# Altium PCB Monitor Blanking V3.PcbDoc
Units mm, origin at the board's own origin, x right, y up, seen from the top; angles counter-clockwise.
Board outline 92 x 40 mm, 2 copper layers (Top Layer, Bottom Layer), stack 1.57 mm thick; 61 components, 44 nets, 188 pads, 62 vias.
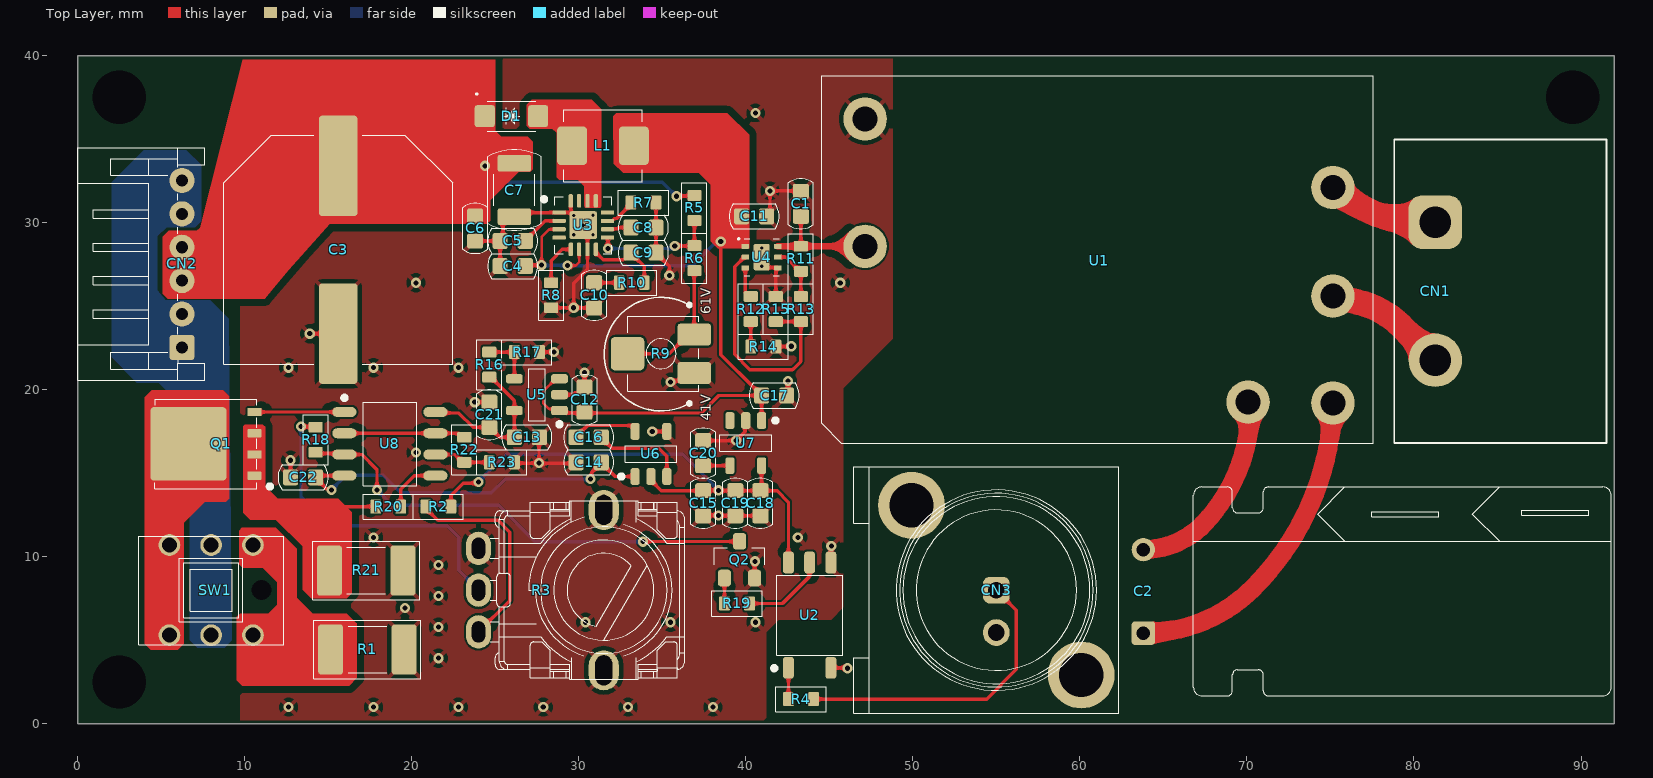
[diagram p0: Top Layer view]
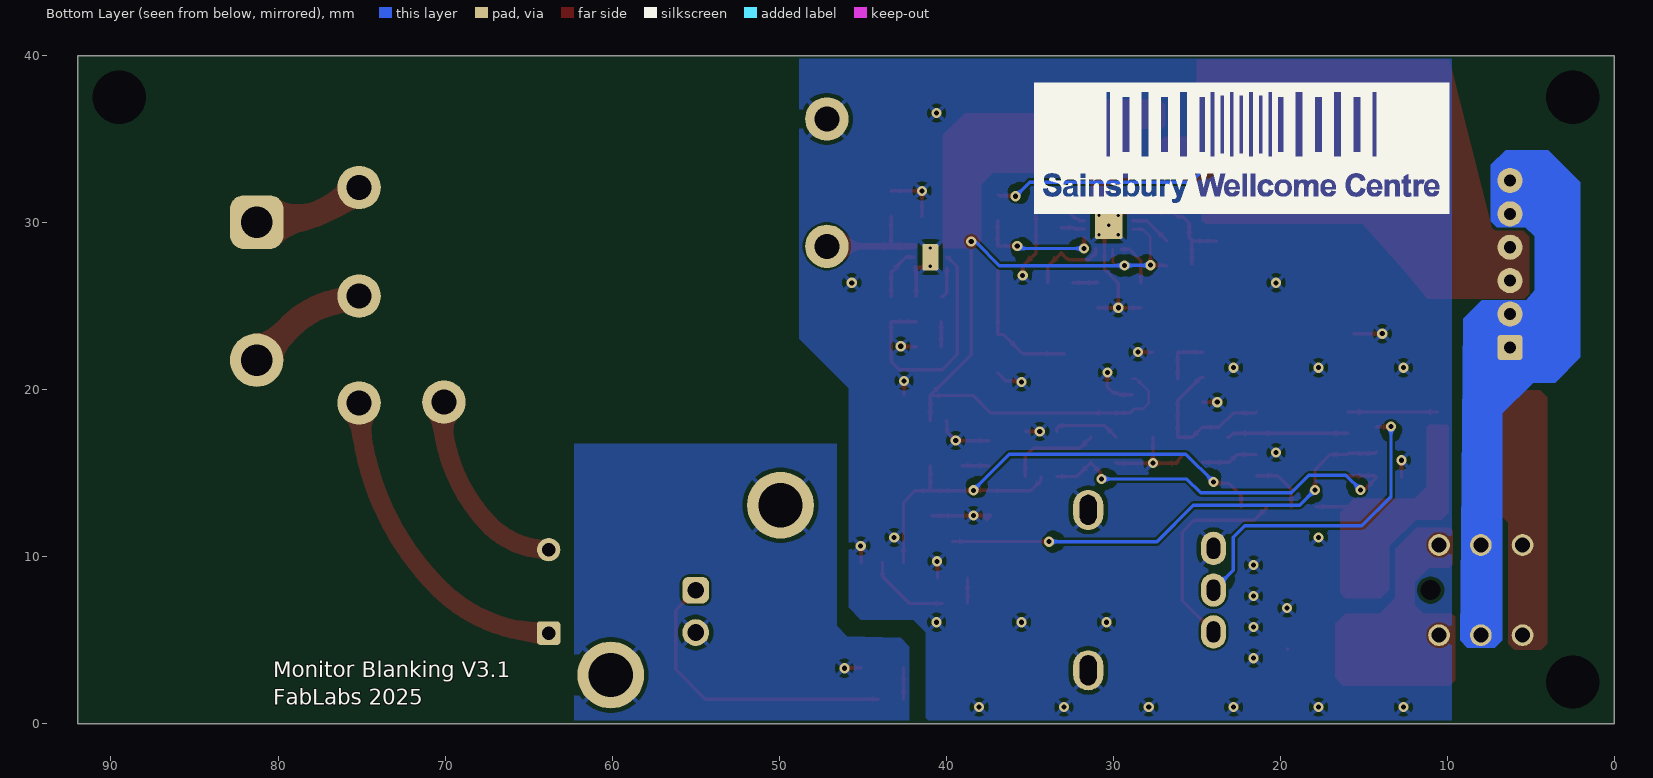
[diagram p1: Bottom Layer view, seen from below]
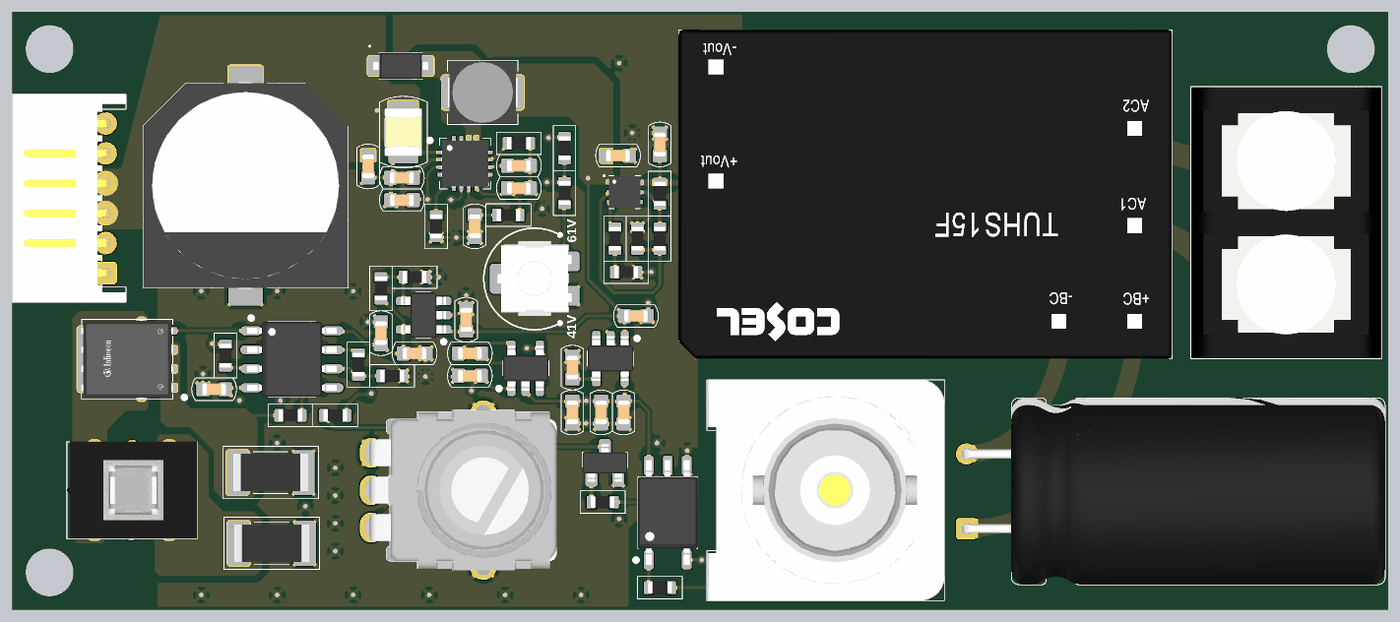
[diagram p2: 3D render of the assembled board from above, using the file's embedded part models]

## Layer stack, top to bottom
Top Solder: solder mask 0.0127, Solder Resist, Dk 3.8
Top Layer: signal copper 0.035
Dielectric: core 1.5, FR-4, Dk 4.5
Bottom Layer: signal copper 0.035
Bottom Solder: solder mask 0.0127, Solder Resist, Dk 3.8

## Board outline
0,0 92,0 92,40 0,40

## Design rules (kind name [scope] priority, off if disabled: settings)
BoardOutlineClearance BoardOutlineClearance_1 [(OnLayer('Top Overlay') OR OnLayer('Bottom Overlay'))] p1: gap=0 ignorepadtopadclearanceinfootprint=FALSE
BoardOutlineClearance [All] p2: gap=0.2 ignorepadtopadclearanceinfootprint=FALSE
Clearance Clearance_Power [InPolygon vs IsRegion] p1: gap=0.45 ignorepadtopadclearanceinfootprint=FALSE
Clearance Clearance_Polygon [InNet('GND') vs InPolygon] p2: gap=0.5 ignorepadtopadclearanceinfootprint=FALSE
Clearance Clearance_1 [All] p3: gap=0.127 ignorepadtopadclearanceinfootprint=FALSE except(0.203: Arc-Hole Track-Hole Via-Hole Fill-Hole Poly-Hole Region-Hole Text-Hole)
ComponentClearance [All] p1: gap=0.089 collisioncheckmode=3 verticalgap=0.089 showdistances=TRUE
DiffPairsRouting JLCPCB_6L_90Ohm [InDifferentialPairClass('USB')] p1: maxlimit=0.127 minlimit=0.127 mostfreqgap=0.127 toplayer_minwidth=0.233 toplayer_maxwidth=0.233 toplayer_prefwidth=0.233 bottomlayer_minwidth=0.233 bottomlayer_maxwidth=0.233 bottomlayer_prefwidth=0.233 impedanceprofiledriven=TRUE maxuncoupledlength=12.7
DiffPairsRouting JLCPCB_6L_120Ohm [InDifferentialPairClass('RS485')] p2: maxlimit=0.305 minlimit=0.305 mostfreqgap=0.305 toplayer_minwidth=0.183 toplayer_maxwidth=0.183 toplayer_prefwidth=0.183 bottomlayer_minwidth=0.183 bottomlayer_maxwidth=0.183 bottomlayer_prefwidth=0.183 impedanceprofiledriven=TRUE maxuncoupledlength=12.7
Height [All] p1: minheight=0 maxheight=1816.048 prefheight=12.7
HoleSize [All] p1: absolutevalues=TRUE maxlimit=6.3 minlimit=0.2 maxpercent=80.000 minpercent=20.000
HoleToHoleClearance [All] p1: gap=0.25 allowstackedmicrovias=FALSE
MinimumAnnularRing [All] p1: minimumring=0.076
MinimumSolderMaskSliver [All] p1: minsoldermaskwidth=0
PlaneClearance [All] p1: clearance=0.089
PlaneConnect PlaneConnectPowerPads [InPadClass('PowerPads')] p1: planeconnectstyle=Direct reliefexpansion=0.508 reliefentries=4 reliefconductorwidth=0.254 reliefairgap=0.254
PlaneConnect [All] p2: pad.planeconnectstyle=Relief pad.reliefexpansion=0.3 pad.reliefentries=4 pad.reliefconductorwidth=0.089 pad.reliefairgap=0.089 via.planeconnectstyle=Relief via.reliefexpansion=0.3 via.reliefentries=4 via.reliefconductorwidth=0.127 via.reliefairgap=0.127
PolygonConnect PolygonConnectPowerPads [(InNet('GND') OR InNet('3V3') OR InNet('SGND'))] p1: connectstyle=Relief reliefconductorwidth=0.254 reliefentries=4 polygonreliefangle="45 Angle" airgapwidth=0.254
PolygonConnect [All] p2: connectstyle=Direct reliefconductorwidth=0.089 reliefentries=4 polygonreliefangle="90 Angle" airgapwidth=0.089
RoutingVias [All] p1: holewidth=0.2 width=0.45 viastyle="Through Hole" minholewidth=0.2 minwidth=0.45 maxholewidth=6.3 maxwidth=6.55
SilkToSilkClearance [All] p1: silktosilkclearance=0
SilkToSolderMaskClearance [IsPad] p1 off: minsilkscreentomaskgap=0.089 clearancetoexposedcopper=TRUE
SolderMaskExpansion [All] p1: expansion=0.075 istentingtop=FALSE
SupplyNets "Schematic Supply Nets" [InNet('SGND')] p1: voltage=0.000
SupplyNets "Schematic Supply Nets_11" [InNet('VAMP-')] p2: voltage=0.000
SupplyNets "Schematic Supply Nets_9" [InNet('VLED')] p3: voltage=0.000
SupplyNets "Schematic Supply Nets_8" [InNet('VAMP+')] p4: voltage=0.000
SupplyNets "Schematic Supply Nets_4" [InNet('GND')] p5: voltage=0.000
SupplyNets "Schematic Supply Nets_6" [InNet('3V3')] p6: voltage=0.000
Width [All] p1: maxlimit=1816.048 minlimit=0.089 preferedwidth=0.089
20 further rules are at their usual default settings.

## Classes and differential pairs
component class "System Power": C4 C5 C6 C7 C8 C9 C10 C11 C12 C13 C14 C15 C16 C17 C18 C19 C20 D1 L1 R5 R6 R7 R10 R11 R12 R13 R14 R15 R16 R17 U3 U4 U5 U6 U7
component class "LED Driver": C21 C22 Q1 Q2 R18 R19 R20 R21 R22 R23 U8

## Components (designator, comment, footprint, x,y, rotation, side; value= is the part's Value field where it differs from the comment)
C1 "C0603-100nF-50V" CAP_CHIP_0603 43.3,31.125 r270 top value=100nF
C2 "EC125-33uF-450V" ECAP_DIP_12.5_90 63.8,7.925 r180 top value=33µF
C3 "EC125-220uF-63V" ECAP_SMD_D12.5_13.5L 15.6,28.375 r270 top value=220uF
C4 "C0603-1uF-50V" CAP_CHIP_0603 26.05,27.4 r180 top value=1µF
C5 "C0603-1uF-50V" CAP_CHIP_0603 26.05,28.9 r180 top value=1µF
C6 "C0603-100nF-100V" CAP_CHIP_0603 23.8,29.65 r90 top value=100nF
C7 "C1210-10uF-63V" CAP_CHIP_1210 26.15,31.95 r90 top value=10uF
C8 "C0603-100nF-50V" CAP_CHIP_0603 33.875,29.7 r0 top value=100nF
C9 "C0603-470pF-25V" CAP_CHIP_0603 33.875,28.2 r0 top value=470pF
C10 "C0603-33nF-50V" CAP_CHIP_0603 30.925,25.65 r270 top value=33nF
C11 "C0603-10uF-25V" CAP_CHIP_0603 40.5,30.375 r0 top value=10µF
C12 "C0603-1uF-50V" CAP_CHIP_0603 30.35,19.4 r270 top value=1µF
C13 "C0603-10uF-25V" CAP_CHIP_0603 26.9,17.15 r0 top value=10µF
C14 "C0603-10uF-25V" CAP_CHIP_0603 30.6,15.65 r180 top value=10µF
C15 "C0603-1uF-50V" CAP_CHIP_0603 37.45,13.2 r270 top value=1µF
C16 "C0603-1uF-50V" CAP_CHIP_0603 30.6,17.15 r0 top value=1µF
C17 "C0603-1uF-50V" CAP_CHIP_0603 41.7,19.65 r180 top value=1µF
C18 "C0603-1uF-50V" CAP_CHIP_0603 40.875,13.2 r90 top value=1µF
C19 "C0603-100nF-50V" CAP_CHIP_0603 39.375,13.2 r90 top value=100nF
C20 "C0603-10nF-50V" CAP_CHIP_0603 37.45,16.2 r270 top value=10nF
C21 "C0603-100nF-50V" CAP_CHIP_0603 24.65,18.5 r270 top value=100nF
C22 "C0603-100nF-50V" CAP_CHIP_0603 13.5,14.75 r180 top value=100nF
CN1 "AC IN" BT-8.26-1X2P 81.275,25.895 r270 top
CN2 "BACKLIGHT PANEL" PH_DIP_90_1X6P 3.8,27.525 r90 top
CN3 "LIGHT TRIGGER" BNC-TE-5227222 55,8 r90 top
D1 "PMEG10010ELR" SOD123 25.975,36.375 r0 top
L1 "L-PWR-10uH-1.5A" IND_PWR_0404 31.45,34.6 r180 top value=10uH
Q1 "BSC070N10NS5" TDSON-8 7.686,16.755 r90 top
Q2 "AO3400A" SOT23 39.625,9.825 r270 top
R1 "R2010-47R" RES_CHIP_2010 17.35,4.45 r180 top value=47R
R2 "R0603-10K" RES_CHIP_0603 21.6,13 r0 top value=10k
R3 "BRIGHTNESS" RK09L1140 31.5,8 r270 top value=10k
R4 "R0603-470R" RES_CHIP_0603 43.305,1.475 r180 top value=470
R5 "R0603-120K" RES_CHIP_0603 36.925,30.875 r90 top value=120k
R6 "R0603-2K" RES_CHIP_0603 36.925,27.875 r90 top value=2k
R7 "R0603-100K" RES_CHIP_0603 33.875,31.2 r0 top value=100k
R8 "R0603-10K" RES_CHIP_0603 28.35,25.65 r270 top value=10k
R9 "VR-SMD-1K-B" VR_SMD_4.5mm 34.925,22.15 r0 top value=1k
R10 "R0603-1K" RES_CHIP_0603 33.175,26.4 r180 top value=1k
R11 "R0603-470K" RES_CHIP_0603 43.3,27.832 r90 top value=470k
R12 "R0603-39K" RES_CHIP_0603 40.3,24.825 r90 top value=39k
R13 "R0603-10K" RES_CHIP_0603 43.3,24.825 r90 top value=10k
R14 "R0603-2K2" RES_CHIP_0603 41.05,22.575 r180 top value=2.2k
R15 "R0603-47K" RES_CHIP_0603 41.8,24.825 r270 top value=47k
R16 "R0603-390K" RES_CHIP_0603 24.65,21.5 r270 top value=390k
R17 "R0603-47K" RES_CHIP_0603 26.9,22.25 r180 top value=47k
R18 "R0603-1K" RES_CHIP_0603 14.25,17 r90 top value=1k
R19 "R0603-1K" RES_CHIP_0603 39.475,7.2 r0 top value=1k
R20 "R0603-1K" RES_CHIP_0603 18.6,13 r180 top value=1k
R21 "R2010-0R2" RES_CHIP_2010 17.275,9.175 r180 top value=200mR
R22 "R0603-240K" RES_CHIP_0603 23.15,16.4 r90 top value=240k
R23 "R0603-10K" RES_CHIP_0603 25.4,15.65 r180 top value=10k
SW1 "FORCE ON" SW_LOCK_SPPH410100 8,8 r0 top
U1 "TUHS15F12" TUHS15F12 61.05,27.8 r180 top
U2 "TLP2361" SO5 43.825,6.5 r0 top
U3 "LM5158" QFN16_3X3_0.5E_EP 30.275,29.85 r270 top
U4 "TPS25961" WSON6 40.95,27.932 r270 top
U5 "SPX3819-ADJ" SOT23-5 27.5,19.7 r90 top
U6 "TPS60403" SOT23-5 34.325,16.15 r0 top
U7 "TPS70933" SOT23-5 40,16.8 r180 top
U8 "OPA2197" SOIC8 18.7,16.755 r270 top

## Footprints (in the part's own frame and the unit in brackets; to place one, negate y for a bottom-side part, rotate by r counter-clockwise, add the part's x,y. Pads: shape width x height; smd on the part's side, far side on the other; paste and mask are expansions set on the pad)
BNC-TE-5227222 [mm] "BNC RF Interface, Jack, 50 O, Bayonet, 4 GHz Operating Frequency,"
  rrect50% 1.6x1.6 hole 1: 1(0,0)
  round 4 hole 2.64: 2(-5.08,-5.08) 2(5.08,5.08)
  round 1.6 hole 1: 2(-2.54,0)
  silkscreen extent -7.38,-7.32 7.38,8.55, body extent -7.38,-7.32 7.38,8.55, height 35.7
BT-8.26-1X2P [mm]
  rrect50% 3.2x3.2 hole 1.9 paste-2539.97 mask+0.051: 1(-4.13,0)
  round 3.2 hole 1.9 paste-2539.97 mask+0.051: 2(4.13,0)
  silkscreen extent -9.08,-2.45 9.09,10.25, body extent -9.08,-2.45 9.09,10.25, height 14.58
CAP_CHIP_0603 [mm]
  rrect25% 0.9x0.95 smd: 1(-0.75,0) 2(0.75,0)
  silkscreen extent -1.5,-0.75 1.5,0.75, body extent -0.8,-0.4 0.8,0.4, height 0.8
CAP_CHIP_1210 [mm]
  rrect25% 1x2 smd: 1(-1.6,0) 2(1.6,0)
  silkscreen extent -2.4,-1.6 2.4,1.6, body extent -1.6,-1.25 1.6,1.25, height 2.01
ECAP_DIP_12.5_90 [mm]
  rrect25% 1.4x1.4 hole 0.8: 1(0,2.5)
  round 1.4 hole 0.8: 2(0,-2.5)
  silkscreen extent -28,-6.25 -3,6.25, body extent -27.99,-6.25 0.3,6.24, height 12.5
ECAP_SMD_D12.5_13.5L [mm] "Aluminum Electrolytic Capacitor, Body 13.50x13.50x14.50mm, IPC Low Density"
  rrect15% 6x2.3 smd: 1(-5.025,0) 2(5.025,0)
  silkscreen extent -6.85,-6.85 6.85,6.85, body extent -6.9,-6.85 6.9,6.85, height 14.5
IND_PWR_0404 [mm] "Precision Wire Wound Inductor, 2-Leads, Body 4.45x4.06mm, IPC Medium Density"
  rrect25% 1.8x2.3 smd: 1(-1.85,0) 2(1.85,0)
  silkscreen extent -2.35,-2.15 2.35,2.15, body extent -2.32,-2.03 2.33,2.03, height 1.3
PH_DIP_90_1X6P [mm]
  rrect25% 1.5x1.5 hole 0.72: 1(-5,-2.45)
  round 1.5 hole 0.72: 2(-3,-2.45) 3(-1,-2.45) 4(1,-2.45) 5(3,-2.45) 6(5,-2.45)
  silkscreen extent -6.95,-3.8 6.95,3.8, body extent -6.95,-3.8 6.95,3.8, height 5.05
QFN16_3X3_0.5E_EP [mm] "QFN, 16-Leads, Body 3.00x3.00mm, Pitch 0.50mm, Thermal Pad 1.66x1.66mm, IPC Medium Density"
  rrect15% 1.66x1.66 smd: 0(0,0)
  rrect15% 1.66x1.66 smd far side paste-2539.97 mask+0.102: 0(0,0)
  rrect50% 0.25x0.8 smd: 1(-0.75,-1.45) 2(-0.25,-1.45) 3(0.25,-1.45) 4(0.75,-1.45) 9(0.75,1.45) 10(0.25,1.45) 11(-0.25,1.45) 12(-0.75,1.45)
  rrect50% 0.8x0.25 smd: 5(1.45,-0.75) 6(1.45,-0.25) 7(1.45,0.25) 8(1.45,0.75) 13(-1.45,0.75) 14(-1.45,0.25) 15(-1.45,-0.25) 16(-1.45,-0.75)
  silkscreen extent -1.7,-2.47 1.7,1.7, body extent -1.6,-1.6 1.6,1.6, height 0.8
RES_CHIP_0603 [mm]
  rrect25% 0.65x0.85 smd: 1(-0.75,0) 2(0.75,0)
  silkscreen extent -1.5,-0.75 1.5,0.75, body extent -0.8,-0.4 0.8,0.4, height 0.45
RES_CHIP_2010 [mm] "Chip Resistor, 2-Leads, Body 5.00x2.50mm, IPC Medium Density"
  rrect25% 1.5x3 smd: 1(-2.2,0) 2(2.2,0)
  silkscreen extent -3.2,-1.75 3.2,1.75, body extent -2.5,-1.25 2.5,1.25, height 0.55
RK09L1140 [mm]
  oval 2.4x1.8 hole 1 slot 1.8 at 0 deg: 0(-4.8,0) 0(4.8,0)
  oval 2x1.5 hole 0.8 slot 1.27 at 0 deg: 1(-2.5,-7.5) 2(0,-7.5) 3(2.5,-7.5)
  silkscreen extent -5.35,-6.8 5.35,4.85, body extent -6.05,-7.6 6.05,4.9, height 30.1
SO5 [mm] "SOP, 4-Leads, Body 4.55x3.70mm, Pitch 1.27mm, IPC Medium Density"
  rrect50% 0.65x1.3 smd: 1(-1.27,-3.15) 3(1.27,-3.15) 4(1.27,3.15) 5(0,3.15) 6(-1.27,3.15)
  silkscreen extent -2.24,-3.3 1.98,2.4, body extent -2,-3.5 2,3.5, height 2.2
SOD123 [mm]
  rrect25% 1.2x1.3 smd: 1(-1.6,0) 2(1.6,0)
  silkscreen extent -2.12,-0.9 1.45,1.37, body extent -1.85,-0.9 1.85,0.9, height 1.35
SOIC8 [mm] "SOIC, 8-Leads, Body 4.90x3.90mm, Pitch 1.27mm, IPC Medium Density"
  oval 0.6x1.45 smd: 1(-1.905,-2.725) 2(-0.635,-2.725) 3(0.635,-2.725) 4(1.905,-2.725) 5(1.905,2.725) 6(0.635,2.725) 7(-0.635,2.725) 8(-1.905,2.725)
  silkscreen extent -2.88,-2.85 2.5,1.6, body extent -2.5,-3 2.5,3, height 1.75
SOT23 [mm] "SOT23, 3-Leads, Body 2.90x2.40mm, Pitch 0.90mm, IPC Medium Density"
  rrect50% 1x0.8 smd: 1(1.1,-0.9) 2(1.1,0.9) 3(-1.1,0)
  silkscreen extent -0.7,-1.5 0.3,1.5, body extent -1.25,-1.5 1.25,1.5, height 0.92
SOT23-5 [mm] "SOT23, 5-Leads, Body 2.90x2.80mm, Pitch 0.95mm, IPC Medium Density"
  rrect50% 0.55x1 smd: 1(-0.95,-1.35) 2(0,-1.35) 3(0.95,-1.35) 4(0.95,1.35) 5(-0.95,1.35)
  silkscreen extent -1.9,-1.48 1.55,0.5, body extent -1.53,-1.5 1.53,1.5, height 1.45
SW_LOCK_SPPH410100 [mm] "SPPH410100"
  round 0 hole 1.2 unplated: 0(3,0)
  round 1.3 hole 0.9: 1(-2.5,-2.7) 2(0,-2.7) 3(2.5,-2.7) 4(-2.5,2.7) 5(0,2.7) 6(2.5,2.7)
  silkscreen extent -4.35,-3.28 4.35,3.22, body extent -4.35,-3.25 4.35,3.25, height 18.1
TDSON-8 [mm] "PowerFLAT 3.3 x 3.3 package"
  rrect25% 0.5x0.85 smd: 1(-1.905,-2.9) 2(-0.635,-2.9) 3(0.635,-2.9) 4(1.905,-2.9)
  rrect10% 4.41x4.55 smd: 5(0,1.05)
  Top Layer region: -2.6,-1.227 2.65,-1.227 2.715,-1.21 2.763,-1.162 2.78,-1.097 2.78,-1.097 2.78,-0.832 2.768,-0.773 2.735,-0.722 2.684,-0.689 2.625,-0.677 2.625,-0.677 2.36,-0.677 2.261,-0.657 2.176,-0.601 2.12,-0.516 2.1,-0.417 2.1,-0.417 2.1,3.048 -2.1,3.048 -2.1,-0.425 -2.119,-0.521 -2.174,-0.603 -2.256,-0.658 -2.352,-0.677 -2.352,-0.677 -2.6,-0.677 -2.669,-0.691 -2.727,-0.73 -2.767,-0.788 -2.78,-0.857 -2.78,-0.857 -2.78,-1.047 -2.767,-1.116 -2.727,-1.174 -2.669,-1.213 -2.6,-1.227
  silkscreen extent -2.68,-3.95 2.68,3.05, body extent -2.99,-3.43 3,3.42, height 0.25
TUHS15F12 [mm] "AC/DC CONVERTER 12V 15W"
  round 2.6 hole 1.5: 1(-9.018,8.548) 2(-14.098,8.598) 3(-14.098,2.198) 4(-14.098,-4.302) 5(13.902,-8.402) 6(13.902,-0.782)
  silkscreen extent -16.5,-11 16.5,11, body extent -16.5,-11 16.5,11, height 15.5
VR_SMD_4.5mm [mm]
  rrect25% 2x1.3 smd: 1(2,1.15) 3(2,-1.15)
  rrect25% 2x2 smd: 2(-2,0)
  silkscreen extent -2,-2.25 2.25,2.25, body extent -2.5,-2.5 2.5,2.5, height 2.55
WSON6 [mm] "PSON, 6-Leads, Body 2.00x2.00mm, Pitch 0.65mm, Thermal Pad 1.60x0.96mm, IPC Medium Density"
  rrect25% 1.6x0.96 smd: 0(0,0)
  rrect25% 1.6x0.96 smd far side paste-2539.97 mask+0.102: 0(0,0)
  rrect25% 0.3x0.45 smd: 1(-0.65,-0.975) 2(0,-0.975) 3(0.65,-0.975) 4(0.65,0.975) 5(0,0.975) 6(-0.65,0.975)
  silkscreen extent -1.15,-1.42 1.1,1.05, body extent -1.05,-1.05 1.05,1.05, height 0.8

## Part data
C1 C8 C19 C21 C22: library part CMP-611-0027-24, "0603 Multilayer Ceramic Capacitors MLCC", Capacitor Type=Ceramic, Case/Package=0603, Dielectric=X7R, LCSC Part N.=C14663, PartNumber=CC0603KRX7R9BB104, Tolerance=10%, Voltage Rating=50V, Mount=SMD, Pick&PlaceFootprint=C0603, RoHS=Yes
C2: library part CMP-612-0013-1, "Aluminum Electrolytic Capacitor, Polarized, Aluminum (wet), 450V, 20% +Tol, 20% -Tol, 33uF, Through Hole Mount", Capacitor Type=Aluminium, LCSC Part N.=C1589601, PartNumber=450BXW33MEFR12.5X25, Tolerance=20%, Voltage Rating=450V, Mount=TH
C3: library part CMP-612-0011-1, "Radial Can - SMD ALUMINUM ELECTROLYTIC CAPACITOR FK 63V 220muF 20% 0.492Dia 12.50mm", Capacitor Type=Electrolytic, ESR (Equivalent Series Resistance)=160mR, LCSC Part N.=C215762, PartNumber=EEEFK1J221AQ, Ripple Current=800mA, Tolerance=20%, Voltage Rating=63V
C4 C5 C12 C15 C16 C17 C18: library part CMP-611-0033-11, "0603 Multilayer Ceramic Capacitors MLCC", Capacitor Type=Ceramic, Case/Package=0603, Dielectric=X5R, LCSC Part N.=C15849, PartNumber=CL10A105KB8NNNC, Tolerance=10%, Voltage Rating=50V, Mount=SMD, Pick&PlaceFootprint=C0603, RoHS=Yes
C6: library part CMP-611-0088-1, "0603 0.1 uF 100 V ±10% Tolerance X7R Multilayer Ceramic Capacitor", Capacitor Type=Ceramic, Case/Package=0603, Dielectric=X7R, LCSC Part N.=C113803, PartNumber=CC0603KRX7R0BB104, Tolerance=10%, Voltage Rating=100V, Mount=SMD, Pick&PlaceFootprint=C0603, RoHS=Yes
C7: library part CMP-611-0087-1, "Multilayer Ceramic Capacitors MLCC - SMD/SMT 1210 10uF 63volts *Derate Voltage/Temp", Capacitor Type=Ceramic, Case/Package=1210, Dielectric=X7R, LCSC Part N.=C437568, PartNumber=GRM32ER71J106KA12L, Tolerance=10%, Voltage Rating=63V, Mount="Surface Mount", Pick&PlaceFootprint=C1210
C9: library part CMP-611-0076-2, "25V 470pF X7R ±10% 0603 Multilayer Ceramic Capacitors MLCC - SMD/SMT ROHS", Capacitor Type=Ceramic, Case/Package=0603, Dielectric=X7R, LCSC Part N.=C519413, PartNumber=CC0603KRX7R8BB471, Tolerance=10%, Voltage Rating=25V, Mount=SMD, Pick&PlaceFootprint=C0603, RoHS=Yes
C10: library part CMP-611-0085-1, "0603 Multilayer Ceramic Capacitors MLCC", Capacitor Type=Ceramic, Case/Package=0603, Dielectric=X7R, LCSC Part N.=C21117, PartNumber=CL10B333KB8NNNC, Tolerance=10%, Voltage Rating=50V, Mount=SMD, Pick&PlaceFootprint=C0603, RoHS=Yes
C11 C13 C14: library part CMP-611-0050-6, "0603 Multilayer Ceramic Capacitors MLCC", Capacitor Type=Ceramic, Case/Package=0603, Dielectric=X5R, LCSC Part N.=C96446, PartNumber=CL10A106MA8NRNC, Tolerance=20%, Voltage Rating=25V, Mount=SMD, Pick&PlaceFootprint=C0603, RoHS=Yes
C20: library part CMP-611-0022-7, "0603 Multilayer Ceramic Capacitors MLCC", Capacitor Type=Ceramic, Case/Package=0603, Dielectric=X7R, LCSC Part N.=DNP, PartNumber=0603B103K500NT, Tolerance=10%, Voltage Rating=50V, Mount=SMD, Pick&PlaceFootprint=C0603, RoHS=Yes
CN1: library part CMP-330-0001-1, "CONN BARRIER STRIP 2CIRC 0.325\"", Current Rating=20A, LCSC Part N.=C5902324, Max Current Rating=10A, PartNumber=4DB-P108-02, Voltage Rating=300V, Gender=Male, Number of Contacts=2, Number of Positions=2, Number of Rows=1, Orientation=Straight, Pitch=8.26mm
CN2: library part CMP-370-0048-1, "Wire-To-Board Connector, Right Angle, 2 mm, 2 Contacts, Header, PH Series", LCSC Part N.=C696999, Max Current Rating=2A, Max Voltage Rating (DC)=100V, PartNumber=X2016WR-06-46SN, Gender=Male, Lead Pitch=2mm, Mount=Through, Orientation="Right Angle"
CN3: library part CMP-730-0010-3, "RF BNC Connector, Female, Panel Mount, Board Mount, Solder Terminal, Jack", Clock Frequency=4GHz, LCSC Part N.=C3175614, PartNumber=5227222-3, Characteristic Impedance=50R, Connector Type=BNC,Jack, Contact Material=Bronze, Gender=Female, Mount="Surface Mount", Orientation=Straight
D1: library part CMP-821-0014-1, "On a Reel of 3000, Nexperia 100V 1.4A, Schottky Diode, 2-Pin SOD-123W PMEG10010ELRX", Forward Voltage=770mV, LCSC Part N.=C179426, Max Reverse Voltage=100V, PartNumber=PMEG10010ELRX, Rectified Current=1A, Pick&PlaceFootprint=SOD123
L1: library part CMP-620-0021-1, "Inductor Power Shielded Wirewound 10uH 20% 100KHz Metal 1.5A 0.345Ohm DCR T/R", DC Resistance (DCR)=345mR, LCSC Part N.=C695172, PartNumber=SPM4015T-100M-LR, RMS Current (Irms)=1.5A, Saturation Current=1.9A, Tolerance=20%
Q1: library part CMP-830-0011-2, "MOSFET Power-Transistor, 100V / Superior thermal resistance", Drain to Source Resistance=10.2mR, Drain to Source Voltage (Vdss)=100V, Gate to Source Voltage (Vgs)=20V, LCSC Part N.=C534364, Max Power Dissipation=83W, Fall Time=6ns, PartNumber=BSC070N10NS5, Polarity=N-CHANNEL, Rise Time=5ns
Q2: library part CMP-810-0002-2, "30V 5.7A 26.5mΩ@10V,5.7A 1.4W 1.5V@250uA 1 NChannel SOT-23-3L MOSFETs", Drain Current (Id)=5.7A, Drain-Source Voltage (Vds)=30V, Gate-Source Voltage (Vgs)=12V, LCSC Part N.=C20917, Power Dissipation=1.4W, Mount="Surface Mount", PartNumber=AO3400A, Pick&PlaceFootprint=SOT-23, Polarity="N Channel", RDS(ON)=26.5mR, Switching Time=34.5ns
R1: library part CMP-633-0165-2, "Res Thick Film 2010 47 Ohm 1% 3/4W ±100ppm/°C Molded SMD SMD Embossed T/R", LCSC Part N.=C877463, Number of Resistors=1, PartNumber=RC2010FK-0747RL, Power Rating=750mW, Tolerance=1%, Voltage Rating=200V, Mount="Surface Mount", Pick&PlaceFootprint=2010
R2 R8 R13 R23: library part CMP-633-0002-26, "100mW Thick Film Resistors 75V ±100ppm/℃ ±1% 0603 Chip Resistor", Case/Package=0603, LCSC Part N.=C25804, Number of Resistors=1, PartNumber=0603WAF1002T5E, Power Rating=100mW, Tolerance=1%, Voltage Rating=75V, Mount="Surface Mount", Pick&PlaceFootprint=R0603
R3: library part CMP-632-0008-2, "Potentiometer, 0.05W, 10000ohm, 10V, 20% +/-Tol, 1 Turn(s), 4845", Case/Package=4845, LCSC Part N.=C470463, PartNumber=RK09L114001T, Power Rating=50mW, Tolerance=20%, Mount=TH, Number of Turns=1, RoHS=Yes, Type=Potentiometer
R4: library part CMP-633-0020-24, "100mW Thick Film Resistors 75V ±100ppm/℃ ±1% 0603 Chip Resistor", Case/Package=0603, LCSC Part N.=C23179, Number of Resistors=1, PartNumber=0603WAF4700T5E, Power Rating=100mW, Tolerance=1%, Voltage Rating=75V, Mount="Surface Mount", Pick&PlaceFootprint=R0603
R5: library part CMP-633-0146-1, "100mW Thick Film Resistors 75V ±100ppm/℃ ±1% 0603 Chip Resistor", Case/Package=0603, LCSC Part N.=C25808, Number of Resistors=1, PartNumber=0603WAF1203T5E, Power Rating=100mW, Tolerance=1%, Voltage Rating=75V, Mount="Surface Mount", Pick&PlaceFootprint=R0603
R6: library part CMP-633-0027-20, "100mW Thick Film Resistors 75V ±100ppm/℃ ±1% 0603 Chip Resistor", Case/Package=0603, LCSC Part N.=C22975, Number of Resistors=1, PartNumber=0603WAF2001T5E, Power Rating=100mW, Tolerance=1%, Voltage Rating=75V, Mount="Surface Mount", Pick&PlaceFootprint=R0603
R7: library part CMP-633-0000-28, "100mW Thick Film Resistors 75V ±100ppm/℃ ±1% 0603 Chip Resistor", Case/Package=0603, LCSC Part N.=C25803, Number of Resistors=1, PartNumber=0603WAF1003T5E, Power Rating=100mW, Tolerance=1%, Voltage Rating=75V, Mount="Surface Mount", Pick&PlaceFootprint=R0603
R9: library part CMP-632-0009-1, "Trimmer, Cermet, 0.25W, 1000ohm, 300V, 20% +/-Tol, -100,100ppm/Cel, 1 Turn(s), 2018", Case/Package=2018, LCSC Part N.=C124640, PartNumber=3314J-1-102E, Power Rating=250mW, Resistance=1k, Tolerance=20%, Voltage Rating=500V, Diameter=4.5mm, Mount=SMD, Number of Turns=1, RoHS=Yes, Type=B
R10 R18 R19 R20: library part CMP-633-0013-26, "100mW Thick Film Resistors 75V ±100ppm/℃ ±1% 0603 Chip Resistor", Case/Package=0603, LCSC Part N.=C21190, Number of Resistors=1, PartNumber=0603WAF1001T5E, Power Rating=100mW, Tolerance=1%, Voltage Rating=75V, Mount="Surface Mount", Pick&PlaceFootprint=R0603
R11: library part CMP-633-0169-1, "100mW Thick Film Resistors 75V ±100ppm/℃ ±1% 0603 Chip Resistor", Case/Package=0603, LCSC Part N.=C23178, Number of Resistors=1, PartNumber=0603WAF4703T5E, Power Rating=100mW, Tolerance=1%, Voltage Rating=75V, Mount="Surface Mount", Pick&PlaceFootprint=R0603
R12: library part CMP-633-0119-5, "100mW Thick Film Resistors 75V ±100ppm/℃ ±1% 0603 Chip Resistor", Case/Package=0603, LCSC Part N.=C23153, Number of Resistors=1, PartNumber=0603WAF3902T5E, Power Rating=100mW, Tolerance=1%, Voltage Rating=75V, Mount="Surface Mount", Pick&PlaceFootprint=R0603
R14: library part CMP-633-0070-21, "100mW Thick Film Resistors 75V ±100ppm/℃ ±1% 0603 Chip Resistor", Case/Package=0603, LCSC Part N.=C4190, Number of Resistors=1, PartNumber=0603WAF2201T5E, Power Rating=100mW, Tolerance=1%, Voltage Rating=75V, Mount="Surface Mount", Pick&PlaceFootprint=R0603
R15 R17: library part CMP-633-0052-25, "100mW Thick Film Resistors 75V ±100ppm/℃ ±1% 0603 Chip Resistor", Case/Package=0603, LCSC Part N.=C25819, Number of Resistors=1, PartNumber=0603WAF4702T5E, Power Rating=100mW, Tolerance=1%, Voltage Rating=75V, Mount="Surface Mount", Pick&PlaceFootprint=R0603
R16: library part CMP-633-0143-1, "100mW Thick Film Resistors 75V ±100ppm/℃ ±1% 0603 Chip Resistor", Case/Package=0603, LCSC Part N.=C23150, Number of Resistors=1, PartNumber=0603WAF3903T5E, Power Rating=100mW, Tolerance=1%, Voltage Rating=75V, Mount="Surface Mount", Pick&PlaceFootprint=R0603
R21: library part CMP-633-0149-2, "Res Metal Strip 2010 0.2 Ohm 1% 1W ±75ppm/°C Molded SMD SMD Embossed Plastic T/R", Case/Package=2010, LCSC Part N.=C2073579, Number of Resistors=1, PartNumber=WSL2010R2000FEA18, Power Rating=1W, Tolerance=1%, Voltage Rating=200V, Mount="Surface Mount", Pick&PlaceFootprint=2010
R22: library part CMP-633-0073-25, "100mW Thick Film Resistors 75V ±100ppm/℃ ±1% 0603 Chip Resistor", Case/Package=0603, LCSC Part N.=C227471, Number of Resistors=1, PartNumber=AC0603DR-07240KL, Power Rating=100mW, Tolerance=1%, Voltage Rating=75V, Mount="Surface Mount", Pick&PlaceFootprint=R0603
SW1: library part CMP-B00-0031-1, "Switch Push Button N.O./N.C. DPDT Plunger 0.1A 30VDC Latching PC Pins Thru-Hole Bulk", Contact Resistance=100mR, Current Rating=100mA, LCSC Part N.=C370973, Operating Force=2N, PartNumber=SPPH410100, Voltage Rating (DC)=30V, Throw Configuration=DPDT, Type=Latching
U1: library part CMP-A10-0017-1, "AC/DC 15W 12V Single Output Power Supply, Encapsulated Board Mount Module", LCSC Part N.=C3031238, Max Output current=1.25A, Max Power Dissipation=15W, Voltage - Output 1=12V, Efficiency=85%, Number of Outputs=1, PartNumber=TUHS15F12
U2: library part CMP-530-0005-1, "Logic IC Output Optocoupler, 1-Channel, 1-Element, 3750V Isolation, 20MBps", Forward Current=10mA, Forward Voltage=1.5V, LCSC Part N.=C107626, PartNumber=TLP2361(TPL,E(T, Direction=Unidirectional, Fall Time=3ns, Output Current per Channel=10mA, Propagation Delay=80ns
U3: library part CMP-970-0074-1, "5-A, 40-V, wide VIN boost, flyback, & SEPIC converter 16-WQFN -40 to 150", LCSC Part N.=C3188431, Max Input Voltage=60V, Max Output current=3.75A, Max Output Voltage=83V, Min Input Voltage=1.5V, PartNumber=LM5158QRTERQ1, Reference Voltage=1V, Switching Frequency=2.2MHz, RDS(ON)=300mR, Switcher Configuration=Boost
U4: library part CMP-970-0077-1, "2.7-V–19-V, 106-mΩ, eFuse With Adjustable Current Limit and Short-Circuit", LCSC Part N.=C5571272, Max Input Voltage=19V, Max Output current=2A, Min Input Voltage=2.7V, PartNumber=TPS25961DRVR, Pick&PlaceFootprint=WSON6, RDS ON=106mR
U5: library part CMP-970-0038-1, "Adjustable Positive LDO Regulator, 0.7V Dropout, PDSO5", Dropout Voltage=700mV, LCSC Part N.=C9056, Max Input Voltage=16V, Max Output current=800mA, PartNumber=SPX3819M5-L, Quiescent Current=8uA, Accuracy=1%, Line Regulation=0.04%, Load Regulation=0.05%, Output Noise=40uV, Output Type=Adjustable, Pick&PlaceFootprint=SOT23-5, PSRR=70dB
U6: library part CMP-970-0067-1, "60mA Charge Pump Voltage Inverter with Fixed 250kHz Operation 5-SOT-23 -40 to 85", LCSC Part N.=C11338, Max Input Voltage=5.25V, Max Output current=60mA, Min Input Voltage=1.8V, Min Output Voltage=-1.8V, PartNumber=TPS60403DBVR, Switching Frequency=250kHz, Switcher Configuration="Charge Pump"
U7: library part CMP-970-0051-1, "LDO Regulator Pos 3.3V 0.15A 5-Pin SOT-23 T/R", Dropout Voltage=960mV, LCSC Part N.=C89347, Max Input Voltage=30V, Max Output current=150mA, Output Voltage=3.3V, PartNumber=TPS70933DBVR, Quiescent Current=1uA, Accuracy=2%, Line Regulation=0.1%, Load Regulation=0.6%, Output Noise=0.19mV, Output Type=Fixed, PSRR=80dB
U8: library part CMP-941-0015-1, "10MHz 5pA Dual channel SOIC-8 Precision Op Amps", Input Bias Current=5pA, Input Offset Voltage=250uV, LCSC Part N.=C139363, Max Supply Current=65mA, Max Supply Voltage=36V, Min Supply Voltage=4.5V, PartNumber=OPA2197IDR, Quiescent Current=1mA, Voltage Drift=0.5µV/°C, Bandwidth=10MHz, CMRR=120dB, Number of Channels=2, PSRR=120dB, Slew Rate=20V/µs

## Free pads (board coordinates)
  round 0 hole 3.2 unplated: 0(2.5,2.5) 0(2.5,37.5) 0(89.5,37.5)

## Via types
v1: diameter 0.61, hole 0.305, Top Layer to Bottom Layer, tented both sides, 55 vias
v2: diameter 0.45, hole 0.2, Top Layer to Bottom Layer, tented both sides, 5 vias
v3: diameter 0.45, hole 0.2, Top Layer to Bottom Layer, tented bottom, 2 vias

## Nets (pads, with @x,y where several pads share a name; then routed paths per layer and width w, separated by ;. In a path a pad name is that pad's centre, name@x,y a point inside that pad or via, vN(x,y) a via of type N, cw(c..) or ccw(c..) an arc to the next point about the centre after c; other vN are vias at no path point)
3V3: C15.1 C18.2 C19.2 R2.2 U2.6 U6.2 U7.5 | length 32.8
  Top Layer w0.203: R2.2 22.35,13.65 23.097,14.397 23.922,14.397 v1(24,14.475) ; U6.2 34.325,14.575 34.95,13.95 C15.1 37.475,13.975 v1(38.375,13.975) ; v1@38.35,13.95 C19.2 C18.2 ; U7.5 40.95,14.025 C18.2 ; U2.6 42.555,13.27 41.875,13.95 C18.2
  Bottom Layer w0.203: v1(24,14.475) 25.658,16.133 36.217,16.133 v1(38.375,13.975)
AC_L: CN1.2 U1.3 | length 7.4
  Top Layer w1.524: U1.3 76.642,25.244 cw(c75.354,19.868) 79.26,23.78 CN1.2
AC_N: CN1.1 U1.4 | length 6.6
  Top Layer w1.524: U1.4 76.199,31.35 ccw(c80.326,37.116) 80.326,30.025 80.475,30.025 CN1.1
ADJ: R3.2 R18.2 | length 19.2
  Top Layer w0.203: v1(13.375,17.8) 13.4,17.775 14.225,17.775 R18.2
  Bottom Layer w0.203: v1(13.375,17.8) 13.375,13.6 15.125,11.85 22.125,11.85 22.813,11.162 22.813,9.188 R3.2
BC+: C2.1 U1.2 | length 19.6
  Top Layer w1.143: C2.1 63.992,5.427 ccw(c63.826,14.705) 70.376,8.132 ccw(c63.826,14.705) 70.378,8.133 ccw(c58.795,19.687) 75.148,19.194 U1.2
BC-: C2.2 U1.1 | length 12.1
  Top Layer w1.143: C2.2 ccw(c63.796,15.429) 67.426,11.984 ccw(c60.062,18.95) 70.196,18.724 ccw(c69.18,18.745) 70.112,19.149 U1.1
FB: Q1.1 Q1.2 Q1.3 R20.2 R21.2 | length 8.5
  Top Layer w0.203: Q1.1 10.761,14.85 10.91,14.702 10.91,13.84 11.75,13 R20.2
GND: C1.1 C3.2 C4.2 C5.2 C6.1 C7.1 C8.2 C9.2 C10.2 C11.2 C12.1 C13.2 C14.2 C15.2 C17.1 C18.1 C19.1 C20.1 C21.1 C22.2 Q2.2 R1.1 R3.0 R3.1 R7.2 R8.2 R9.3 R14.1 R15.1 R17.1 R21.1 R23.1 U1.5 U2.4 U3.0 U3.1 U3.7 U3.16 U4.0 U4.4 U5.2 U6.4 U7.2 | length 55.2
  Top Layer w0.203: C22.2 v1(12.75,15.775) ; v1(13.9,23.35) C3.2 ; R1.1 R1.1@19.6,4.5 ; v1(23.775,19.25) C21.1 ; C6.1 25.2,28.9 C5.2@25.3,29 ; C4.2@25.3,27.5 C5.2 25.456,29.056 25.456,29.953 25.853,30.35 C7.1 26.4,30.6 U3.1 29.525,30.6 U3.0@29.525,30.612 ; R23.1@25.927,15.973 26.21,15.69 R23.1@26.21,15.6 ; R23.1 26.2,15.6 R23.1@26.21,15.6 ; v1@27.625,15.584 29.784,15.584 C14.2 ; C13.2 27.625,17.125 v1(27.625,15.6) R23.1@26.21,15.6 ; R17.1 v1(28.525,22.25) ; R8.2 v1(29.7,24.9) ; U5.2 29.655,19.7 29.763,19.808 30.008,19.808 C12.1 v1(30.35,21.025) ; U3.16 U3.0@29.525,30.612 ; v2(29.695,30.425) 29.695,30.442 U3.0@29.525,30.612 ; v2(30.275,29.85) 30.525,29.6 U3.7 30.525,27.2 29.7,26.375 v1(29.7,24.9) ; C10.2 v1(29.7,24.9) ; v1(34.4,17.5) U6.4 ; R7.2 C8.2 C9.2 34.625,28.181 34.973,27.833 34.992,27.833 35.425,27.4 v1(35.425,26.825) ; v1(35.5,20.45) 35.578,20.528 36.453,20.528 R9.3 ; C20.1 37.453,16.953 v1(39.428,16.953) 39.953,17.478 39.953,18.103 U7.2 ; C15.2@37.823,12.45 37.583,12.21 37.343,12.45 37.368,12.475 v1(38.375,12.475) ; v1@38.35,12.45 C19.1 C18.1 ; Q2.2 v1@40.525,9.75 ; v3(40.95,27.382) 41.014,27.318 41.889,27.318 U4.4 41.85,27.282 41.8,27.232 R15.1 ; C11.2@41.475,30.375 41.45,30.4 v1(41.45,31.9) 43.275,31.9 C1.1 ; R14.1 v1@42.7,22.575 ; C17.1@42.525,19.65 v1(42.525,20.525) ; U2.4 v1@45.095,10.675
  other v1: 12.635,0.995 17.715,0.995 22.795,0.995 27.875,0.995 32.955,0.995 38.035,0.995 21.6,3.925 21.6,5.783 30.415,6.075 35.495,6.075 40.575,6.075 19.6,6.925 21.6,7.642 21.6,9.5 40.55,9.725 45.12,10.65 17.715,11.155 43.115,11.155 20.255,16.235 12.635,21.315 17.715,21.315 22.795,21.315 42.725,22.6 20.255,26.395 45.655,26.395 40.575,36.555
  other v2: 29.695,29.27 30.855,29.27 30.855,30.43
  other v3: 40.95,28.482
LEDK: Q1.5 SW1.1 SW1.4
NetC1_2: C1.2 R11.2 U1.6 U4.6 | length 7
  Top Layer w0.203: R11.2 C1.2
  Top Layer w0.381: U4.6 U1.6
NetC5_1: C5.1 U3.2 | length 2.5
  Top Layer w0.203: C5.1 26.8,28.919 27.148,29.267 27.167,29.267 28,30.1 U3.2
NetC8_1: C8.1 U3.10 | length 1.4
  Top Layer w0.203: U3.10 31.748,29.623 32.294,29.623 32.37,29.7 C8.1
NetC9_1: C9.1 R10.1 U3.8 | length 4.6
  Top Layer w0.203: U3.8@31.025,28.223 31.473,27.775 32.658,27.775 32.716,27.833 32.777,27.833 33.125,28.181 C9.1 ; U3.8@31.025,28.402 U3.8@31.048,28.425 ; C9.1@33.125,28.175 33.925,27.375 R10.1
NetC10_1: C10.1 R10.2 | length 1.6
  Top Layer w0.203: C10.1@31.025,26.5 C10.1 31.025,26.4 R10.2
NetC16_1: C16.1 U6.5 | length 4.1
  Top Layer w0.203: C16.1 29.85,17.175 30.529,17.854 33.204,17.854 33.375,17.683 U6.5
NetC16_2: C16.2 U6.3 | length 5.6
  Top Layer w0.203: C16.2 31.35,17.131 31.698,16.783 31.717,16.783 32,16.5 34.8,16.5 35.275,16.025 U6.3
NetC20_2: C20.2 U7.4 | length 1.6
  Top Layer w0.203: C20.2 U7.4
NetCN2_1: CN2.1 CN2.2 CN2.5 CN2.6 SW1.2 SW1.5
NetCN3_1: CN3.1 R4.1 | length 18.1
  Top Layer w0.203: R4.1 54.425,1.475 56.2,3.25 56.2,6.8 CN3.1
NetD1_2: D1.2 L1.2 U3.13 U3.14
NetQ1_4: Q1.4 U8.1 | length 5.4
  Top Layer w0.203: Q1.4 U8.1
NetQ2_1: Q2.1 R19.1 | length 1.5
  Top Layer w0.203: R19.1 Q2.1
NetQ2_3: Q2.3 R18.1 U8.3 | length 28.3
  Top Layer w0.203: R18.1 14.315,16.185 15.91,16.185 U8.3 17.005,16.12 17.925,15.2 v1(17.925,14) ; v1(33.85,10.9) 33.863,10.913 39.613,10.913 Q2.3
  Bottom Layer w0.203: v1(17.925,14) 18.85,13.075 25.208,13.075 27.383,10.9 v1(33.85,10.9)
NetR1_2: R1.2 SW1.3 SW1.6
NetR2_1: R2.1 R3.3 | length 12.5
  Top Layer w0.203: R2.1 20.85,12.9 21.575,12.175 25.175,12.175 25.875,11.475 25.875,7.375 R3.3
NetR4_2: R4.2 U2.1 | length 1.9
  Top Layer w0.203: R4.2 U2.1
NetR5_1: R5.1 R6.2 U3.9 | length 7.4
  Top Layer w0.203: U3.9 U3.9 31.75,29.077 v1(31.75,28.45) ; v1(35.75,28.6) R6.2@36.925,28.6 ; R6.2 R5.1
  Bottom Layer w0.203: v1(31.75,28.45) 35.49,28.45 35.64,28.6 v1(35.75,28.6)
NetR6_1: R6.1 R9.1 R9.2 | length 8.3
  Top Layer w0.203: R9.2 35.407,22.15 36.557,23.3 R9.1 36.907,23.318 R6.1@36.907,27.125
NetR7_1: R7.1 U3.11 | length 1.9
  Top Layer w0.203: U3.11 32,30.1 32.146,30.246 32.271,30.246 33.125,31.1 R7.1
NetR8_1: R8.1 U3.5 | length 2.8
  Top Layer w0.203: R8.1 28.35,27.725 29.025,28.4 U3.5
NetR11_1: R11.1 R13.2 U4.5 | length 3.3
  Top Layer w0.203: U4.5 42.415,27.932 42.977,27.371 42.977,27.305 43.2,27.082 R11.1 R13.2
NetR12_1: R12.1 R14.2 | length 1.5
  Top Layer w0.203: R14.2 R12.1
NetR12_2: R12.2 U4.3 | length 1.9
  Top Layer w0.203: U4.3 39.975,25.917 39.977,25.916 39.977,25.798 40.2,25.575 R12.2
NetR13_1: R13.1 R15.2 U4.2 | length 14.6
  Top Layer w0.203: U4.2 39.9,27.932 39.33,27.362 39.33,22.12 40.25,21.2 42.741,21.2 ccw(c42.741,21.403) 42.863,21.241 ccw(c42.741,21.403) 42.884,21.259 43.241,21.616 ccw(c43.097,21.759) 43.259,21.637 ccw(c43.097,21.759) 43.3,21.759 R13.1 R15.2
NetR16_1: R16.1 R17.2 U5.4 | length 3.1
  Top Layer w0.203: R16.1 R17.2 U5.4
NetR20_1: R20.1 U8.5 | length 3.5
  Top Layer w0.203: R20.1 19.35,14.05 20.15,14.85 U8.5
NetR22_1: R22.1 R23.2 U8.6 | length 3.4
  Top Layer w0.203: U8.6 22.58,16.12 23.05,15.65 R22.1 R23.2
NetR22_2: R22.2 U8.2 U8.7 | length 7.3
  Top Layer w0.203: U8.2 U8.7 22.81,17.39 23.05,17.15 R22.2
SGND: CN3.2 U2.3 | length 1
  Top Layer w0.203: U2.3 v1@46.12,3.35
  other v1: 46.095,3.325
TRIG: R19.2 U2.5 | length 5.1
  Top Layer w0.203: R19.2 42.2,7.2 43.814,8.814 43.814,9.639 U2.5
VAMP+: C13.1 C21.2 R16.2 U5.5 U8.8 | length 9.6
  Top Layer w0.203: U8.8 21.485,18.6 22.825,18.6 23.675,17.75 C21.2 24.681,17.75 25.281,17.15 C13.1 U5.5 26.15,19.35 24.75,20.75 R16.2
VAMP-: C14.1 C22.1 U6.1 U8.4 | length 23.3
  Top Layer w0.203: v1(15.2,14) 15.122,14.078 14.897,14.078 14.25,14.725 C22.1 14.35,14.85 U8.4 ; v1(30.7,14.65) 30.778,14.728 30.778,15.047 31.35,15.619 C14.1 ; C14.1@31.35,15.625 32.175,14.8 U6.1
  Bottom Layer w0.203: v1(15.2,14) 16.075,14.875 18.3,14.875 19.35,13.825 24.775,13.825 25.6,14.65 v1(30.7,14.65)
VIN: C4.1 C11.1 C12.2 C17.2 L1.1 U3.3 U3.6 U4.1 U5.1 U5.3 U7.1 | length 44.3
  Top Layer w0.152: v1(27.775,27.45) 27.775,29.15 28.225,29.6 U3.3 ; U5.1 28.756,18.844 28.231,18.844 27.875,19.2 27.875,19.9 28.625,20.65 U5.3 ; v1(29.325,27.425) 29.825,27.425 30.025,27.625 U3.6
  Top Layer w0.203: C4.1 26.85,27.45 v1(27.775,27.45) ; U5.1 29,18.6 30.35,18.6 37.325,18.6 38.375,19.65 C17.2 ; v1(38.5,28.875) 38.5,22.1 40.583,20.017 40.602,20.017 40.95,19.669 C17.2 ; U7.1 C17.2
  Bottom Layer w0.203: v1(27.775,27.45) 27.788,27.437 29.313,27.437 v1(29.325,27.425) 36.825,27.425 38.187,28.787 cw(c38.33,28.642) 38.298,28.843 v1(38.5,28.875)
VLED: C3.1 C6.2 C7.2 CN2.3 CN2.4 D1.1 R5.2 | length 13.3
  Top Layer w0.203: v1(35.85,31.575) 35.875,31.6 36.814,31.6 R5.2@36.876,31.662
  Bottom Layer w0.203: v1@24.368,33.432 25.375,32.425 35,32.425 v1(35.85,31.575)
  other v1: 24.384,33.4
pads on no net: SW1.0 U3.4 U3.12 U3.15 U7.3

## Polygon pours and split planes (outlines as drawn)
GND on Bottom Layer "GND_L02_P037" (solid, remove dead copper, pour order 37): 9.725,0 41.223,0 41.223,5.473 41.982,6.232 45.107,6.232 45.85,6.975 45.85,8.379 45.85,20.095 48.801,23.046 48.8,40 9.725,40
SGND on Bottom Layer "SGND_L02_P025" (solid, remove dead copper, pour order 25): 62.263,16.775 46.566,16.775 46.566,5.857 45.968,5.233 42.731,5.14 42.213,4.606 42.213,0 62.263,0
GND on Top Layer "GND_L01_P039" (solid, remove dead copper, pour order 39): 9.725,0 41.223,0 41.223,5.473 41.982,6.232 45.107,6.232 45.85,6.975 45.85,8.379 45.85,20.095 48.801,23.046 48.8,40 9.725,40

## Other copper
Top Layer:
  region net VIN: 38.9,36.55 40.2,35.25 40.2,28.45 38.325,28.45 37.9,28.875 37.9,32.275 37.2,32.975 32.654,32.975 32.099,33.525 32.076,36.376 32.249,36.55
  region net VLED: 27.1,33.05 26.4,33.05 24.7,31.35 24.7,30.125 24.5,29.925 22.813,29.925 15.107,29.925 14.607,29.386 13.619,28.296 12.651,27.189 11.702,26.065 11.196,25.45 5.4,25.45 5.1,25.75 5.1,29.15 5.45,29.5 7.15,29.5 7.35,29.7 9.886,39.75 25,39.75 25,35.5 25.35,35.15 26.95,35.15 27.25,34.85 27.25,33.2
  region net FB: 11.225,14.225 11.975,13.475 15.6,13.475 16.4,12.675 16.4,7.825 16.1,7.525 13.975,7.525 13.475,8.025 13.475,10.625 11.875,12.225 10.325,12.225 9.927,12.623 9.927,17.821 10.004,17.9 11.1,17.9 11.225,17.775
  region net LEDK: 4.45,19.975 8.718,19.975 9.081,19.612 9.081,13.513 8.868,13.3 7.618,13.3 6.35,12.032 6.35,4.8 5.987,4.437 4.388,4.437 4.031,4.794 4.031,19.556
  region net NetD1_2: 30.925,37.212 30.925,37.2 31.35,36.775 31.35,30.975 31.275,30.9 30.4,30.9 30.325,30.975 30.325,32.175 29.95,32.55 28.85,32.55 28.675,32.725 28.675,35.375 28.425,35.625 27.075,35.625 26.9,35.8 26.9,37.05 27.197,37.347 30.789,37.347
  region net NetR1_2: 12.65,10.95 13.125,10.475 13.125,7.55 14.075,6.6 16.1,6.6 16.675,6.025 16.7,6.025 16.7,2.775 16.725,2.75 16.25,2.275 9.85,2.275 9.525,2.6 9.525,6.4 9.725,6.6 11.425,6.6 11.95,7.125 11.95,8.475 11.075,9.35 9.875,9.35 9.675,9.55 9.675,11.55 9.825,11.722 11.878,11.722
Bottom Layer:
  region net NetCN2_1: 7.391,33.46 7.391,30.085 7.041,29.735 5.345,29.735 4.776,29.187 4.776,25.96 5.279,25.346 7.932,25.338 9.037,24.242 9.246,4.996 8.804,4.55 7.175,4.55 6.725,5 6.725,18.575 4.875,20.425 3.55,20.425 2.041,21.934 2.041,32.41 3.966,34.335 6.516,34.335

## Silkscreen, mask and mechanical layers (free items; w line width, h text height)
Top Overlay:
  circle w0.2: c36.625,25.069 r0.1
  circle w0.2: c36.625,19.175 r0.1
  lines w0.1: 36.625,19.181 cw(c34.925,22.125) 36.625,25.069
  text "61V" at 38.125,24.525 h1 r90
  text "41V" at 38.125,18.125 h1 r90
Bottom Overlay:
  drawing of 8 lines, arcs and shapes, not listed
  text "Monitor Blanking V3.1" at 80.276,2.462 h1.6
  text "FabLabs 2025" at 80.276,0.806 h1.6
Mechanical 1:
  the board outline again, w0.05